# Altium PCB TrackerController010.PcbDoc (part 2 of 2)
Units mm, origin at the board's own origin, x right, y up, seen from the top; angles counter-clockwise.
Board outline 70 x 102 mm, 2 copper layers (Top Layer, Bottom Layer); 125 components, 86 nets, 407 pads, 611 vias.
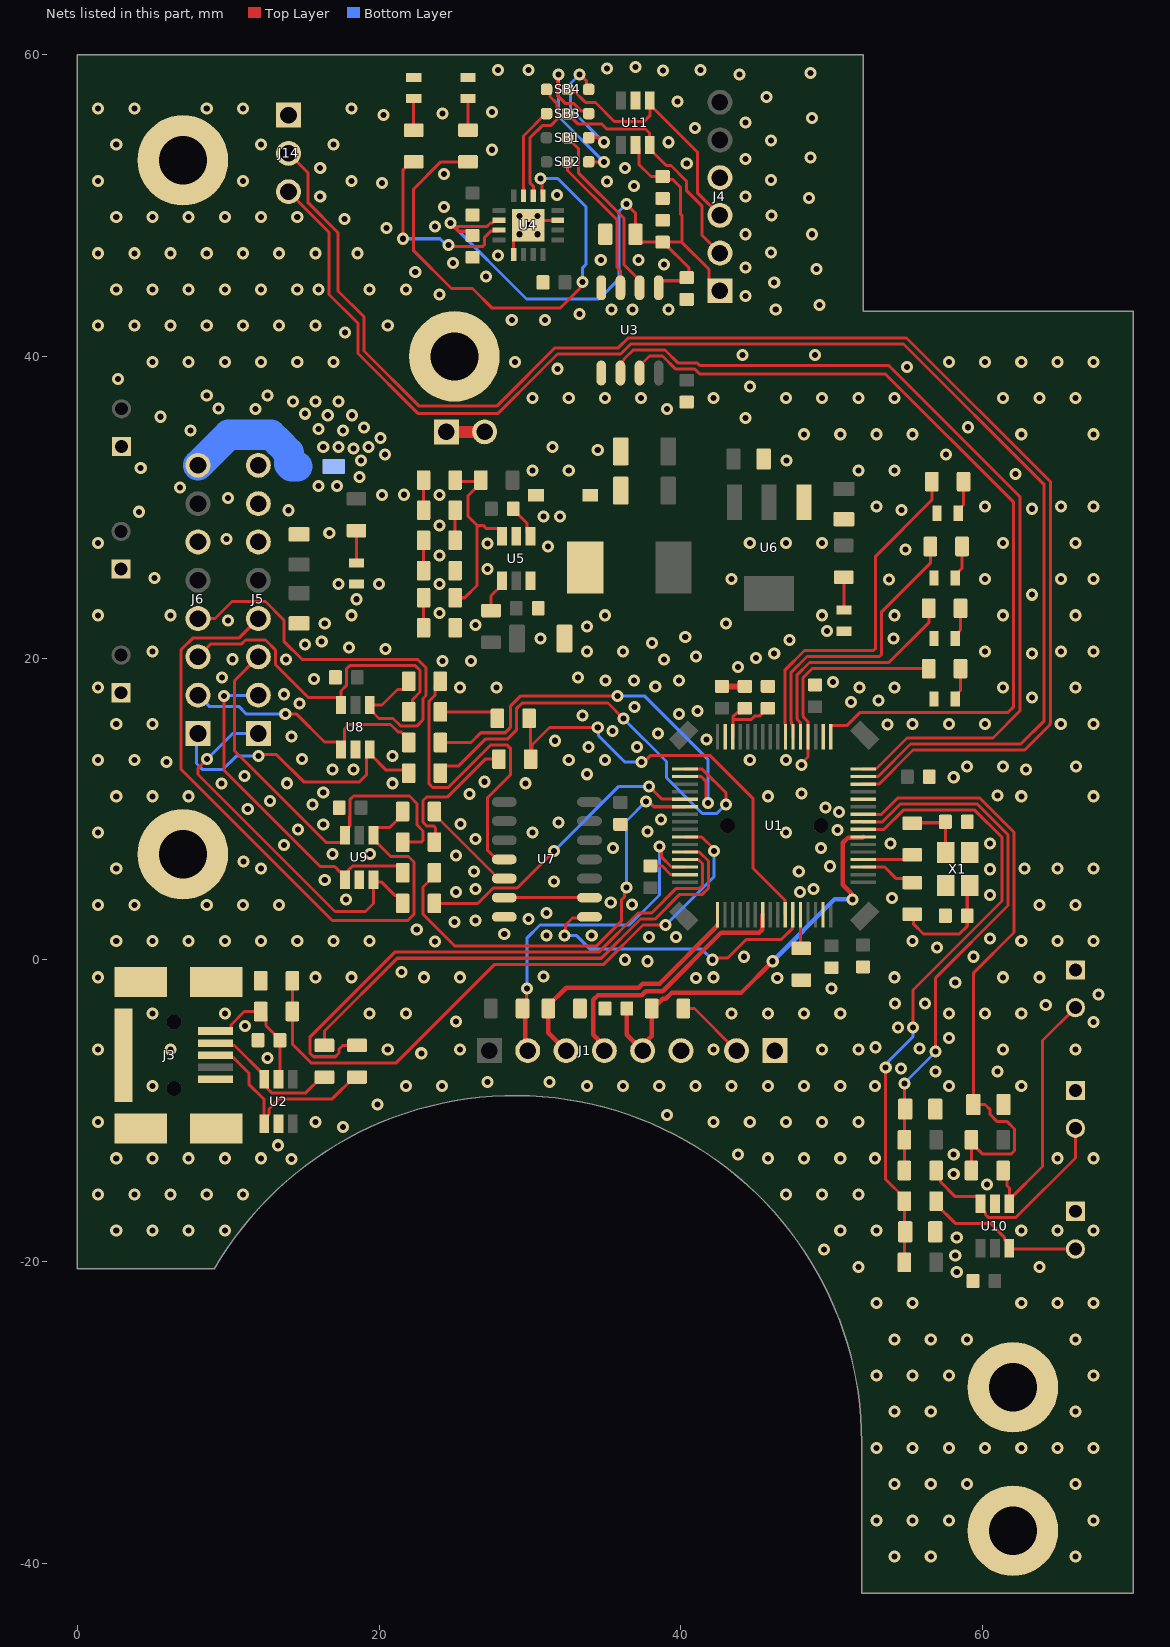
[diagram p2: the nets of this part, all layers, seen from the top]

## Via types
v1: diameter 0.8, hole 0.4, Top Layer to Bottom Layer, tented both sides, 611 vias

## Nets (pads, with @x,y where several pads share a name; then routed paths per layer and width w, separated by ;. In a path a pad name is that pad's centre, name@x,y a point inside that pad or via, vN(x,y) a via of type N, cw(c..) or ccw(c..) an arc to the next point about the centre after c; other vN are vias at no path point) (continued)
GND: CK1.2 CK2.2 CK3.2 CK4.1 CK5.2 CK6.2 CK7.2 CK8.2 CK9.2 CK10.2 CK11.2 CK12.2 CK14.2 CK19.2 CK20.2 CK21.2 CK22.2 CK23.2 CK24.2 CK25.2 CK26.2 CK27.2 CK28.2 CK29.2 CK30.2 CK31.2 CK32.2 CK33.2 D1.2 J1.6 J2.1 J3.5 J3.6 J5.6 J5.7 J5.8 J6.6 J7.1 J7.2 J8.1 J9.1 J10.1 J11.1 J12.1 J13.1 J14.1 LD1.2 LD2.2 LD3.2 LD4.2 LD7.2 LD8.2 MTH1.1 MTH2.1 MTH3.1 MTH4.1 MTH5.1 NT1.2 R6.1 R10.1 R12.1 R22.1 R25.1 U1.12 U1.18 U1.31 U1.47 U1.63 U2.2 U3.5 U5.2 U6.1 U7.7 U8.5 U9.5 U10.2 X1.2 X1.4 | length 6.6
  Top Layer w0.2: CK11.2@38,6.225 38.757,6.225 39.329,5.653 40.279,5.653 U1.47@40.289,5.643
  Top Layer w0.4: CK7.2@42.732,18.124 CK4.1@44.256,18.124
  Top Layer w0.8: J7.1@24.46,35 J7.2@27,35
  other v1: 54.178,-39.562 56.578,-39.562 66.178,-39.562 52.978,-37.162 55.378,-37.162 57.778,-37.162 67.378,-37.162 54.178,-34.762 56.578,-34.762 58.978,-34.762 66.178,-34.762 52.978,-32.362 55.378,-32.362 57.778,-32.362 60.178,-32.362 62.578,-32.362 64.978,-32.362 67.378,-32.362 54.178,-29.962 56.578,-29.962 66.178,-29.962 52.978,-27.562 55.378,-27.562 57.778,-27.562 67.378,-27.562 54.178,-25.162 56.578,-25.162 58.978,-25.162 66.178,-25.162 52.978,-22.762 55.378,-22.762 62.578,-22.762 64.978,-22.762 67.378,-22.762 58.3,-20.7 51.778,-20.362 63.778,-20.362 58.2,-19.6 49.5,-19.2 58.3,-18.4 2.578,-17.962 4.978,-17.962 7.378,-17.962 9.778,-17.962 50.578,-17.962 52.978,-17.962 62.578,-17.962 64.978,-17.962 67.378,-17.962 1.378,-15.562 3.778,-15.562 6.178,-15.562 8.578,-15.562 10.978,-15.562 46.978,-15.562 49.378,-15.562 51.778,-15.562 60.3,-14.9 58.1,-14.2 14.2,-13.2 2.578,-13.162 4.978,-13.162 7.378,-13.162 9.778,-13.162 12.178,-13.162 45.778,-13.162 48.178,-13.162 50.578,-13.162 52.891,-13.162 64.978,-13.162 67.378,-13.162 43.8,-12.9 58.1,-12.9 13.3,-12.3 17.6,-11.1 1.378,-10.762 15.778,-10.762 42.178,-10.762 44.578,-10.762 46.978,-10.762 49.378,-10.762 51.778,-10.762 39.1,-10.3 19.9,-9.6 4.978,-8.362 21.778,-8.362 24.178,-8.362 33.778,-8.362 36.178,-8.362 38.578,-8.362 40.978,-8.362 43.378,-8.362 45.778,-8.362 48.178,-8.362 50.578,-8.362 52.891,-8.362 57.778,-8.362 62.578,-8.362 27.2,-8.1 31.3,-8.1 56.9,-7.4 61,-7.4 54.6,-7.2 12.6,-6.5 22.8,-6.2 1.378,-5.962 6.178,-5.962 20.578,-5.962 25.378,-5.962 42.178,-5.962 49.378,-5.962 51.778,-5.962 61.378,-5.962 66.178,-5.962 55.844,-5.87 52.9,-5.8 57.8,-5.2 54.4,-4.5 11.1,-4.4 67.368,-4.12 25.1,-4.1 4.978,-3.562 9.778,-3.562 19.378,-3.562 21.778,-3.562 43.378,-3.562 45.778,-3.562 48.178,-3.562 50.578,-3.562 57.778,-3.562 60.178,-3.562 62.578,-3.562 64.2,-3 54.221,-2.908 56.2,-2.9 67.7,-2.3 50,-1.9 58.2,-1.5 41,-1.2 46.4,-1.2 1.378,-1.162 15.778,-1.162 18.178,-1.162 22.978,-1.162 25.378,-1.162 42.178,-1.162 54.178,-1.162 61.378,-1.162 63.778,-1.162 30.9,-1.1 21.5,-0.8 37.8,-0.1 36.3,0 44.2,0.2 59.4,0.2 57,0.8 23.7,1.2 2.578,1.238 4.978,1.238 7.378,1.238 9.778,1.238 12.178,1.238 14.578,1.238 16.978,1.238 19.378,1.238 55.378,1.238 62.578,1.238 64.978,1.238 67.378,1.238 60.5,1.4 37.9,1.5 39.7,1.5 31.1,1.6 34.1,1.6 28.3,1.7 22.5,2 25,2.5 26.4,2.6 29.9,2.7 31.1,3.1 1.378,3.638 3.778,3.638 8.578,3.638 10.978,3.638 13.378,3.638 63.778,3.638 66.178,3.638 36.761,3.669 35.361,3.8 17.8,4 54,4.1 60.5,4.3 25.1,4.5 47.9,4.5 26.4,4.7 48.8,4.7 31.6,5.2 16.4,5.3 26.307,5.844 47.827,5.837 60.5,6 2.578,6.038 12.178,6.038 62.8,6.038 64.978,6.038 67.378,6.038 49.9,6.2 11,6.5 25.1,6.9 16.9,7 19.4,7 35.5,7.4 49.3,7.4 13.7,7.6 53.9,7.7 60.5,7.7 26.4,8 1.378,8.438 30.178,8.438 46.978,8.438 37.8,8.5 50.4,8.6 14.64,8.64 16.3,8.96 25.4,9 31.9,9.1 38.7,9.3 50.5,9.8 11.295,9.995 49.6,10.1 15.6,10.3 12.766,10.514 2.578,10.838 4.978,10.838 7.378,10.838 45.778,10.838 62.578,10.838 67.378,10.838 61,10.9 26,11 48.007,11.009 16.3,11.1 9.569,11.697 13.9,11.7 20.9,11.7 29.7,11.7 27,11.8 58.1,12.1 11.09,12.19 33.8,12.3 16.9,12.6 18.3,12.6 62.9,12.6 58.978,12.8 61.378,12.8 66.2,12.8 5.9,13.1 1.378,13.238 3.778,13.238 32.578,13.238 34.978,13.238 44.578,13.238 46.978,13.238 14.9,13.3 20.9,13.5 33.9,14.1 37.096,14.094 31.678,14.518 41.7,14.6 14.2,14.8 38.5,15 35.469,15.153 53.7,15.6 65.197,15.616 2.578,15.638 4.978,15.638 55.378,15.638 57.778,15.638 60.178,15.638 67.378,15.638 33.5,16.2 39.9,16.3 41.1,16.5 36.949,16.751 14.724,16.986 51.3,17.1 53.1,17.2 63.3,17.4 13.7,17.6 1.378,18.038 25.378,18.038 27.778,18.038 51.85,18.038 54.178,18.038 61.378,18.038 66.178,18.038 38.313,18.115 50.099,18.401 35,18.5 36.9,18.5 39.9,18.5 15.7,18.6 9.6,18.7 33.2,18.7 43.8,19.4 24.2,19.8 26.1,19.8 13.825,19.9 38.9,19.9 10.293,19.923 45,20 41,20.1 46.2,20.3 63.3,20.3 4.978,20.438 33.778,20.438 36.178,20.438 60.178,20.438 65.2,20.438 67.378,20.438 20.435,20.6 18,20.7 15.1,20.9 38.1,21 16.2,21.1 47.2,21.2 30.7,21.3 54.1,21.3 40.3,21.4 49.701,21.801 33.8,22.1 26.381,22.182 16.4,22.3 43,22.3 10,22.5 1.378,22.838 6.175,22.838 18.178,22.838 34.978,22.838 49.378,22.838 54.178,22.838 61.378,22.838 66.178,22.838 24,23 18.5,23.9 63.3,24.2 17.3,24.9 20,24.9 24,24.9 53.8,25.2 43.378,25.238 60.178,25.238 65.2,25.238 67.378,25.238 5.1,25.3 27.2,25.9 24,26.8 54.9,27.2 31.2,27.4 27.2,27.6 1.378,27.638 44.578,27.638 46.978,27.638 49.378,27.638 61.378,27.638 66.178,27.638 9.9,27.9 16.7,28.3 24,28.8 30.9,29.4 32,29.4 4.1,29.7 14,29.8 54.643,29.818 63.3,29.9 52.978,30.038 60.178,30.038 65.2,30.038 67.378,30.038 10,30.6 20.2,30.8 24,30.8 21.643,30.829 6.8,31.3 16,31.4 17.2,31.4 18.7,32 62.2,32.2 30.178,32.438 32.578,32.438 51.778,32.438 54.178,32.438 4.2,32.6 18.8,33.1 47,33.1 20.4,33.5 57.6,33.5 34.5,33.8 18.3,33.9 16.3,34 17.3,34 19.3,34 31.5,34 20.1,34.6 48.178,34.838 50.578,34.838 52.978,34.838 55.378,34.838 62.578,34.838 67.378,34.838 7.5,35.1 17.6,35.1 16,35.2 19,35.3 59.038,35.304 44.302,35.91 5.5,36 16.6,36.1 18.2,36.1 15.1,36.2 11.8,36.5 39.1,36.5 9.367,36.543 14.3,37 15.8,37 17.3,37 30.178,37.238 32.578,37.238 34.978,37.238 37.378,37.238 42.178,37.238 46.978,37.238 49.378,37.238 51.778,37.238 54.178,37.238 61.378,37.238 63.778,37.238 66.178,37.238 8.578,37.4 12.6,37.4 44.592,38.016 2.7,38.5 31.836,39.18 55,39.3 4.978,39.638 7.378,39.638 9.778,39.638 12.178,39.638 14.578,39.638 16.978,39.638 29,39.638 57.778,39.638 60.178,39.638 62.578,39.638 64.978,39.638 67.378,39.638 44.1,40.1 48.9,40.1 17.731,41.591 1.378,42.038 3.778,42.038 6.178,42.038 8.578,42.038 10.978,42.038 13.378,42.038 15.778,42.038 20.578,42.038 2.578,44.438 4.978,44.438 7.378,44.438 9.778,44.438 12.178,44.438 14.578,44.438 15.988,44.438 19.378,44.438 21.778,44.438 1.378,46.838 3.778,46.838 6.178,46.838 8.578,46.838 10.978,46.838 13.378,46.838 15.778,46.838 18.578,46.838 17.7,49.1 2.578,49.238 4.978,49.238 7.378,49.238 9.778,49.238 12.178,49.238 14.578,49.238 16.1,50.6 1.378,51.638 10.978,51.638 18.178,51.638 16.1,52.5 2.578,54.038 12.178,54.038 16.978,54.038 1.378,56.438 3.778,56.438 8.578,56.438 10.978,56.438 18.178,56.438
GPS_UART_RX: R33.2 U1.37 | length 20.2
  Top Layer w0.2: R33.2@23.67,3.734 26.539,3.734 27.565,4.76 29.16,4.76 v1(31.6,7.2) ; v1(37.9,11.5) 38.757,10.643 U1.37@40.289,10.643
  Bottom Layer w0.2: v1(31.6,7.2) 35.9,11.5 v1(37.9,11.5)
GPS_UART_TX: R34.2 U1.38 | length 29.1
  Top Layer w0.2: R34.2@23.67,5.766 23.67,5.566 22.92,4.816 22.92,3.012 25.032,0.9 34.403,0.9 36.061,2.558 36.061,3.959 36.285,4.183 36.285,4.685 v1(36.4,4.8) ; v1(37.7,10.5) 37.862,10.5 38.219,10.143 U1.38@40.289,10.143
  Bottom Layer w0.2: v1(36.4,4.8) 36.4,9.2 v1(37.7,10.5)
MCU_NRST: CK5.1 J1.5 R9.1 U1.7 | length 28.3
  Top Layer w0.3: CK5.1@36.426,-3.232 36.426,-4.973 J1.5@37.479,-6.026 37.479,-5.661 38.08,-5.06 R9.1@38.08,-3.232 R9.1@38.08,-3.032 ; R9.1@38.08,-3.302 38.804,-2.578 39.014,-2.578 39.392,-2.2 44,-2.2 v1(46.1,-0.1) ; v1(51.4,4) 51.304,4.096 51.304,4.41 50.747,4.967 50.747,7.754 51.097,8.103 52.052,8.103 U1.7@52.092,8.143
  Bottom Layer w0.3: v1(46.1,-0.1) 50.2,4 v1(51.4,4)
MCU_SWO: J1.4 U1.55 | length 17.7
  Top Layer w0.3: J1.4@34.939,-5.969 34.939,-5.699 34.201,-4.961 34.201,-2.662 34.513,-2.35 37.42,-2.35 37.692,-2.078 38.807,-2.078 42.673,1.789 45.191,1.789 45.397,1.994 45.397,2.949 U1.55@45.437,2.989
MCU_USART1_RX: U1.59 U7.8 | length 20.1
  Top Layer w0.2: v1(32.3,1.6) 32.362,1.662 32.362,2.3 32.829,2.767 33.876,2.767 U7.8@33.954,2.845 ; v1(42.1,0) 42.215,0.115 43.115,0.115 44.339,1.339 46.671,1.339 47.427,2.094 47.427,2.979 U1.59@47.437,2.989
  Bottom Layer w0.2: v1(32.3,1.6) 33.1,1.6 33.996,0.704 41.396,0.704 v1(42.1,0)
MCU_USART1_TX: R27.1 R28.1 U1.58 | length 29.4
  Top Layer w0.2: R27.1@29.95,16 30.054,15.896 30.054,14.244 30.054,14.011 R28.1@30.054,13.919 ; R28.1@30.05,13.3 30.054,13.304 R28.1@30.054,13.919 ; v1(34.5,15.4) 31.302,15.4 30.146,14.244 30.146,14.011 R28.1@30.054,13.919 ; v1(37.4,13.1) 37.562,13.1 38.016,13.553 41.926,13.553 44.8,10.68 44.8,6.049 46.927,3.922 46.927,2.999 U1.58@46.937,2.989
  Bottom Layer w0.2: v1(34.5,15.4) 34.545,15.355 34.545,14.855 36.3,13.1 v1(37.4,13.1)
MCU_USART2_RX: U1.17 U3.7 | length 56.5
  Top Layer w0.2: U3.7@37.27,38.9 37.27,39.37 37.925,40.025 38.799,40.025 39.674,39.15 40.949,39.15 41.274,38.825 53.581,38.825 62.078,30.328 62.078,16.778 61.7,16.4 51.9,16.4 51.042,15.542 49.953,15.542 49.943,15.532 U1.17@49.943,14.791
MCU_USART2_TX: U1.16 U3.6 | length 57.8
  Top Layer w0.2: U3.6@36,38.9 36,39.522 36.245,39.767 36.245,39.825 36.845,40.425 38.965,40.425 39.84,39.55 41.115,39.55 41.265,39.4 53.8,39.4 62.5,30.7 62.5,16.5 60.7,14.7 55,14.7 52.953,12.653 52.102,12.653 U1.16@52.092,12.643
NetCK1_1: CK1.1 R7.1 X1.1 | length 7.5
  Top Layer w0.2: R7.1@55.351,3.014 55.419,2.946 55.419,2.381 56.1,1.7 58.469,1.7 58.997,2.228 CK1.1@58.997,2.921 58.997,4.748 X1.1@59.161,4.912
NetCK2_1: CK2.1 R8.1 X1.3 | length 4.3
  Top Layer w0.2: R8.1@55.351,9.051 55.383,9.083 57.486,9.083 CK2.1@57.547,9.144 57.547,7.126 X1.3@57.561,7.112
NetCK3_1: CK3.1 CK4.2 U1.30 | length 5
  Top Layer w0.2: U1.30@43.443,14.791 43.453,14.801 43.453,15.941 ; CK4.2@44.256,16.674 43.931,16.349 43.695,16.349 43.453,16.107 43.453,15.941 ; CK3.1@45.78,16.674 45.73,16.674 45.205,16.149 44.905,16.149 44.698,15.941 43.453,15.941
NetCK18_2: CK18.2 U5.1 | length 2.3
  Top Layer w0.2: CK18.2@28.9,29.9 28.9,29.85 29.825,28.925 29.825,28.3 U5.1@30.05,28.075
NetCK30_1: CK30.1 R37.1 R38.1 U1.10 | length 40.9
  Top Layer w0.2: U1.10@52.112,9.643 53.306,9.643 54.382,10.719 59.828,10.719 62.1,8.447 62.1,1.8 59.4,-0.9 CK30.1@59.4,-9.6 60.175,-9.6 60.516,-9.941 60.516,-10.259 60.994,-10.738 61.646,-10.738 62.125,-11.216 62.125,-12.66 61.897,-12.888 60.025,-12.888 R37.1@59.275,-12.138 ; R38.1@59.275,-13.97 R37.1@59.275,-12.138 ; R37.1@59.275,-11.938 R37.1@59.275,-12.138
NetCK31_1: CK31.1 R39.1 R40.1 U1.9 | length 36.1
  Top Layer w0.2: U1.9@52.092,9.143 53.372,9.143 54.547,10.319 59.662,10.319 61.7,8.281 61.7,3.6 56.9,-1.2 v1(56.9,-6.081) ; R40.1@54.83,-13.97 54.845,-13.955 54.845,-11.938 54.845,-9.941 CK31.1@54.88,-9.906 54.831,-9.857 v1(54.831,-8.2)
  Bottom Layer w0.2: v1(54.831,-8.2) 54.831,-8.175 56.785,-6.22 56.785,-6.195 v1(56.9,-6.081)
NetCK32_1: CK32.1 R41.1 R42.1 U1.8 | length 42.4
  Top Layer w0.2: U1.8@52.092,8.643 53.472,8.643 54.747,9.919 59.496,9.919 61.3,8.115 61.3,3.9 55.4,-2 v1(55.4,-4.5) ; v1(53.591,-7.14) 53.591,-14.563 54.83,-15.802 54.83,-18.034 R41.1@54.83,-20.066
  Bottom Layer w0.2: v1(53.591,-7.14) 53.591,-6.978 53.771,-6.798 53.771,-6.729 55.4,-5.1 v1(55.4,-4.5)
NetD1_1: D1.1 L1.1 U5.6
NetJ2_2: J2.2 R9.2 | length 4.7
  Top Layer w0.2: R9.2@40.18,-3.232 40.908,-3.232 J2.2@43.702,-6.026
NetJ3_2: J3.2 R13.1 U2.6 | length 9.4
  Top Layer w0.2: J3.2@9.158,-5.528 9.312,-5.682 10.419,-5.682 12.385,-7.648 U2.6@12.385,-7.923 12.61,-8.148 12.61,-8.547 12.886,-8.823 15.141,-8.823 16.183,-7.781 R13.1@16.383,-7.781
NetJ3_3: J3.3 R14.1 U2.1 | length 14
  Top Layer w0.2: J3.3@9.158,-6.328 9.312,-6.482 10.34,-6.482 11.363,-7.504 11.363,-8.25 12.385,-9.272 U2.1@12.385,-10.873 ; U2.1@12.385,-10.598 12.71,-10.273 12.71,-9.89 13.377,-9.223 16.9,-9.223 18.342,-7.781 R14.1@18.542,-7.781
NetJ5_1: J5.1 R33.1 U9.6 | length 25.3
  Top Layer w0.2: v1(8.6,13.3) 8,12.7 8,12.276 17.076,3.2 19.1,3.2 19.633,3.733 U9.6@19.633,5.307 ; U9.6@19.633,5.3 19.77,5.163 20.141,5.163 21.034,4.27 21.22,4.27 21.57,3.92 R33.1@21.57,3.734
  Bottom Layer w0.2: v1(8.6,13.3) 10.3,15 J5.1@12,15
NetJ5_2: J5.2 R34.1 U9.4 | length 23
  Top Layer w0.2: v1(9.716,17.5) 9.725,17.491 9.725,12.565 16.108,6.182 17.058,6.182 17.433,5.807 17.508,5.807 17.833,5.482 U9.4@17.833,5.407 ; U9.4@17.733,5.307 U9.4@17.833,5.407 ; 18.058,6.03 17.958,5.93 17.958,5.532 U9.4@17.833,5.407 ; 18.058,6.031 18.234,6.207 21.22,6.207 21.57,5.857 R34.1@21.57,5.766
  Bottom Layer w0.2: v1(9.716,17.5) 9.724,17.508 11.967,17.508 J5.2@12,17.54
NetJ5_3: J5.3 R35.1 U9.3 | length 28.3
  Top Layer w0.2: J5.3@12,20.08 10.416,18.496 10.416,13.854 16.487,7.782 17.508,7.782 17.733,8.007 U9.3@17.733,8.257 17.733,8.532 18.058,8.857 18.058,9.508 18.085,9.535 18.085,10.633 18.311,10.859 22.013,10.859 22.52,10.352 22.52,8.943 22.92,8.543 22.92,7.915 22.803,7.798 R35.1@21.57,7.798
NetJ5_4: J5.4 R36.1 U9.1 | length 43.8
  Top Layer w0.2: J5.4@12.133,22.753 10.726,21.346 7.675,21.346 6.875,20.546 6.875,12.625 16.9,2.6 21.908,2.6 22.32,3.012 22.32,6.488 21.96,6.848 20.767,6.848 19.633,7.982 19.633,8.532 19.858,8.757 20.697,8.757 21.57,9.63 R36.1@21.57,9.83
NetJ6_1: J6.1 R29.1 U8.6 | length 20
  Top Layer w0.2: v1(12,13.5) 12.115,13.615 13.185,13.615 15,11.8 18.7,11.8 19.154,12.254 19.154,13.718 U8.6@19.379,13.943 19.379,13.668 20.477,12.57 21.77,12.57 R29.1@21.97,12.37
  Bottom Layer w0.2: J6.1@8,15 7.9,14.9 7.9,13.01 8.31,12.6 9.624,12.6 10.524,13.5 v1(12,13.5)
NetJ6_2: J6.2 R30.1 U8.4 | length 17.6
  Top Layer w0.2: v1(13.784,16.284) 14.542,16.284 16.383,14.443 17.254,14.443 17.479,14.218 U8.4@17.479,13.943 17.704,14.168 17.704,15.304 18,15.6 20.767,15.6 21.283,15.084 21.488,15.084 21.97,14.602 R30.1@21.97,14.402
  Bottom Layer w0.2: J6.2@8,17.54 8.74,16.8 10.699,16.8 11.216,16.284 v1(13.784,16.284)
NetJ6_3: J6.3 R31.1 U8.3 | length 22.9
  Top Layer w0.2: J6.3@8,20.08 8.866,20.946 10.892,20.946 11.151,21.205 12.466,21.205 13.125,20.546 13.125,19.575 15.307,17.393 17.254,17.393 17.479,17.168 U8.3@17.479,16.893 ; U8.3@17.479,17.193 17.479,17.819 17.831,18.171 17.831,19.269 18.062,19.5 22.408,19.5 22.72,19.188 22.72,17.744 22.226,17.25 22.226,16.69 R31.1@21.97,16.434
NetJ6_4: J6.4 R32.1 U8.1 | length 29.6
  Top Layer w0.2: J6.4@8,22.62 9.13,22.62 10.255,23.745 12.466,23.745 13.686,22.525 13.686,21.12 14.905,19.9 22.573,19.9 23.12,19.353 23.12,17.521 22.92,17.321 22.92,15.912 22.492,15.484 21.448,15.484 20.932,16 19.997,16 19.379,16.618 U8.1@19.379,16.893 20.197,16.893 21.22,17.916 21.62,17.916 21.97,18.266 R32.1@21.97,18.466
NetJ8_2: J8.2 R38.2 U10.1 | length 16.9
  Top Layer w0.2: R38.2@61.375,-13.97 61.635,-14.23 61.635,-14.98 61.783,-15.128 U10.1@61.783,-15.903 ; U10.1@61.783,-16.178 U10.1@61.783,-15.903 ; J8.2@66.167,-3.175 63.985,-5.357 63.985,-13.701 U10.1@61.783,-15.903
NetJ9_2: J9.2 R40.2 U10.3 | length 14.8
  Top Layer w0.2: R40.2@56.93,-13.97 57.236,-14.276 57.236,-14.736 58.203,-15.703 59.658,-15.703 59.883,-15.928 U10.3@59.883,-16.178 59.883,-16.453 60.208,-16.778 60.208,-16.902 60.384,-17.078 62.232,-17.078 66.167,-13.143 J9.2@66.167,-11.176
NetJ10_2: J10.2 R42.2 U10.6 | length 10.9
  Top Layer w0.2: R42.2@56.93,-16.002 56.93,-16.202 58.206,-17.478 60.532,-17.478 61.458,-18.404 61.458,-18.528 61.783,-18.853 U10.6@61.783,-19.128 61.832,-19.177 J10.2@66.167,-19.177
NetJ14_2: J14.2 U1.14 | length 98.2
  Top Layer w0.2: J14.2@14,53.46 15.3,52.16 15.3,50.186 17.283,48.203 17.283,44.343 19,42.626 19,40.366 22.666,36.7 27.8,36.7 28.3,37.2 31.666,40.566 35.855,40.566 36.514,41.225 54.975,41.225 64.5,31.7 64.5,15.686 64.497,15.682 64.497,15.597 62.8,13.9 55.4,13.9 53.143,11.643 U1.14@52.092,11.643
NetJ14_3: J14.3 U1.15 | length 94.8
  Top Layer w0.2: J14.3@14,50.92 16.688,48.232 16.688,44.112 18.6,42.2 18.6,40.2 22.6,36.2 27.866,36.2 30.705,39.039 31.832,40.166 36.021,40.166 36.68,40.825 54.775,40.825 64.1,31.5 64.1,15.851 62.549,14.3 55.234,14.3 53.088,12.153 52.112,12.153 U1.15@52.092,12.133
NetLD1_1: LD1.1 R1.2 | length 2.1
  Top Layer w0.2: LD1.1@58.2,17.3 58.2,17.5 58.55,17.85 R1.2@58.55,19.3
NetLD2_1: LD2.1 R2.2 | length 2.1
  Top Layer w0.2: LD2.1@58.2,21.3 58.2,21.5 58.55,21.85 R2.2@58.55,23.3
NetLD3_1: LD3.1 R3.2 | length 2.3
  Top Layer w0.2: LD3.1@58.2,25.3 58.2,25.5 58.65,25.95 R3.2@58.65,27.4
NetLD4_1: LD4.1 R4.2 | length 2.2
  Top Layer w0.2: LD4.1@58.4,29.6 58.4,29.8 58.75,30.15 R4.2@58.75,31.7
NetLD5_1: LD5.1 R15.2 | length 2.1
  Top Layer w0.2: R15.2@25.9,55 LD5.1@25.9,57.1
NetLD6_1: LD6.1 R16.2 | length 2.1
  Top Layer w0.2: R16.2@22.3,55 LD6.1@22.3,57.1
NetLD7_1: LD7.1 R18.2 | length 2.2
  Top Layer w0.2: LD7.1@18.5,26.3 R18.2@18.5,28.45
NetLD8_1: LD8.1 R26.2 | length 2.2
  Top Layer w0.2: LD8.1@50.814,23.179 R26.2@50.814,25.366
NetR1_1: R1.1 U1.20 | length 14.7
  Top Layer w0.2: v1(48,12.9) 48,13.003 48.443,13.446 U1.20@48.443,14.791 48.433,14.801 48.433,15.785 48.153,16.065 48.153,16.097 48.1,16.151 48.1,18.699 48.701,19.3 R1.1@56.45,19.3
NetR2_1: R2.1 U1.21 | length 15.3
  Top Layer w0.2: U1.21@47.943,14.791 47.933,14.801 47.933,15.719 47.753,15.899 47.753,15.931 47.7,15.985 47.7,18.366 47.7,18.865 48.535,19.7 53.8,19.7 56.45,22.35 R2.1@56.45,23.3
NetR3_1: R3.1 U1.22 | length 19.3
  Top Layer w0.2: U1.22@47.443,14.791 47.443,15.532 47.353,15.622 47.353,15.766 47.3,15.819 47.3,19.031 48.369,20.1 53.183,20.1 53.3,20.217 53.3,23.041 56.55,26.291 R3.1@56.55,27.4
NetR4_1: R4.1 U1.23 | length 23.6
  Top Layer w0.2: U1.23@46.943,14.791 46.933,14.801 46.933,15.62 46.9,15.654 46.9,19.197 48.203,20.5 52.783,20.5 52.9,20.617 52.9,26.724 56.65,30.474 R4.1@56.65,31.7
NetR7_2: R7.2 U1.3 | length 3.7
  Top Layer w0.2: U1.3@52.092,6.143 53.522,6.143 54.291,5.374 55.091,5.374 R7.2@55.351,5.114
NetR8_2: R8.2 U1.4 | length 4.2
  Top Layer w0.2: U1.4@52.092,6.643 52.102,6.653 R8.2@55.053,6.653 ; R8.2@55.053,6.653 R8.2@55.351,6.951 ; R8.2@55.053,6.653 R8.2@55.351,6.951 ; R8.2@55.053,6.653 R8.2@55.351,6.951
NetR10_2: R10.2 U1.60 | length 2.3
  Top Layer w0.2: U1.60@47.937,2.989 47.937,0.813 R10.2@48,0.75
NetR11_1: R11.1 R12.2 U1.42 | length 41.8
  Top Layer w0.2: R12.2@14.258,-1.397 R11.1@14.258,-3.429 14.258,-5.607 15.482,-6.831 21.141,-6.831 27.672,-0.3 34.9,-0.3 37.5,2.3 v1(39,2.3) ; U1.42@40.289,8.143 41.394,8.143 42.2,7.337 v1(42.2,7.2)
  Bottom Layer w0.2: v1(39,2.3) 42.2,5.5 v1(42.2,7.2)
NetR13_2: R13.2 U1.44 | length 33.9
  Top Layer w0.2: R13.2@16.383,-5.681 16.383,-4.717 21.2,0.1 34.734,0.1 37.334,2.7 38.303,2.7 39.936,4.334 41.428,4.334 41.839,4.744 41.839,6.543 41.248,7.133 40.299,7.133 U1.44@40.289,7.143
NetR14_2: R14.2 U1.45 | length 37.7
  Top Layer w0.2: R14.2@18.542,-5.681 17.592,-5.681 17.348,-5.925 17.348,-6.187 17.105,-6.431 15.648,-6.431 15.433,-6.216 15.433,-5.101 21.034,0.5 34.569,0.5 37.169,3.1 38.073,3.1 39.706,4.734 41.263,4.734 41.439,4.909 41.439,6.378 41.183,6.633 40.299,6.633 U1.45@40.289,6.643
NetR15_1: R15.1 U4.5 | length 32.2
  Top Layer w0.2: R15.1@25.9,52.9 24.1,52.9 22.3,51.1 22.3,47 24.8,44.5 26.2,44.5 27.5,43.2 31.999,43.2 33.324,44.524 33.324,44.599 33.5,44.775 v1(33.5,44.938) ; v1(30.7,51.8) 30.8,51.7 30.8,50.725 U4.5@30.875,50.65
  Bottom Layer w0.2: v1(30.7,51.8) 31.84,51.8 33.719,49.921 33.719,46.105 33.5,45.885 v1(33.5,44.938)
NetR16_1: R16.1 U4.11 | length 12.8
  Top Layer w0.2: v1(21.6,47.801) 21.6,52.38 21.75,52.53 21.75,52.55 22.1,52.9 R16.1@22.3,52.9 ; v1(24.6,47.4) 24.7,47.3 26.883,47.3 27,47.417 27,47.9 27.4,48.3 27.875,48.3 U4.11@27.95,48.375
  Bottom Layer w0.2: v1(21.6,47.801) 24.037,47.801 24.438,47.4 v1(24.6,47.4)
NetR17_1: R17.1 U5.4 | length 2.3
  Top Layer w0.2: R17.1@27.425,23.15 27.425,24.125 28.15,24.85 U5.4@28.15,25.125
NetR19_1: R19.1 R20.2 R21.2 U5.3 | length 13.1
  Top Layer w0.2: R20.2@25.05,24 25.683,24 26.5,24.817 26.5,28.8 ; R21.2@25.05,31.8 25.15,31.7 26.25,31.7 R19.1@26.65,31.7 ; R19.1@26.75,31.8 R19.1@26.65,31.7 ; U5.3@28.15,28.075 28.15,28.35 27.925,28.575 27.125,28.575 26.9,28.8 26.5,28.8 ; 26.5,28.8 25.9,29.4 25.9,30.764 26.386,31.25 26.4,31.25 26.65,31.5 R19.1@26.65,31.7
NetR20_1: R20.1 R22.2 | length 2
  Top Layer w0.2: R22.2@22.95,22 R20.1@22.95,24
NetR21_1: R21.1 R23.2 | length 2
  Top Layer w0.2: R23.2@22.95,29.8 R21.1@22.95,31.8
NetR23_1: R23.1 R24.2 | length 2
  Top Layer w0.2: R24.2@25.05,27.8 R23.1@25.05,29.8
NetR24_1: R24.1 R25.2 | length 2
  Top Layer w0.2: R25.2@22.95,25.8 R24.1@22.95,27.8
NetR27_2: R27.2 R31.2 | length 4
  Top Layer w0.2: R31.2@24.07,16.434 27.5,16.434 27.85,16.084 R27.2@27.85,16
NetR29_2: R29.2 U1.33 | length 29.8
  Top Layer w0.2: R29.2@24.07,12.37 24.07,12.48 24.42,12.83 25.251,12.83 27.071,14.65 28.537,14.65 29.104,15.217 29.104,16.638 29.487,17.021 35.179,17.021 v1(36.199,16.001) ; U1.33@40.289,12.643 40.299,12.633 41.432,12.633 43,11.066 v1(43,10.3)
  Bottom Layer w0.2: v1(36.199,16.001) 39.055,13.145 39.055,12.071 41.432,9.693 42.393,9.693 v1(43,10.3)
NetR30_2: R30.2 U1.34 | length 27.5
  Top Layer w0.2: R30.2@24.07,14.402 24.07,14.4 26.1,14.4 26.75,15.05 27.328,15.05 28.372,15.05 28.704,15.382 28.704,16.804 29.4,17.5 v1(35.8,17.5) ; U1.34@40.289,12.143 41.357,12.143 41.69,11.81 41.69,10.51 v1(41.8,10.4)
  Bottom Layer w0.2: v1(35.8,17.5) 37.59,17.5 41.8,13.29 v1(41.8,10.4)
NetR32_2: R32.2 U7.4 | length 22.6
  Top Layer w0.2: R32.2@24.07,18.466 23.72,18.116 23.72,17.556 23.32,17.156 23.32,11.648 23.548,11.42 24.592,11.42 27.422,14.25 28.472,14.25 28.7,14.022 28.7,12.245 27.179,10.724 27.179,7.28 27.804,6.655 U7.4@28.304,6.655
NetSB1_2: SB1.2 U3.2 | length 11.9
  Top Layer w0.2: SB1.2@32.497,54.5 33.216,53.781 33.216,52.181 36.225,49.172 36.225,46.095 37.27,45.05 U3.2@37.27,44.55
NetSB2_2: SB2.2 U3.3 | length 9.8
  Top Layer w0.2: SB2.2@32.5,52.9 32.5,52.331 35.775,49.056 35.775,45.9 36,45.675 U3.3@36,44.55
NetSB3_3: SB3.3 U4.7 | length 6.1
  Top Layer w0.2: U4.7@29.575,50.65 29.575,54.615 31.06,56.1 SB3.3@31.103,56.1
NetSB4_3: SB4.3 U4.6 | length 8.5
  Top Layer w0.2: U4.6@30.225,50.65 30.225,51.285 30,51.51 30,54.475 30.825,55.3 31.378,55.3 31.784,55.706 31.784,56.776 31.328,57.232 31.328,57.475 SB4.3@31.103,57.7
NetU7_6: U7.6 U7.9 | length 5.6
  Top Layer w0.2: U7.6@28.304,4.115 U7.9@33.954,4.115
OPU_UART_RX: R28.2 R35.2 | length 9.6
  Top Layer w0.2: R35.2@23.67,7.798 23.739,7.867 23.739,8.748 23.607,8.88 23.148,8.88 22.92,9.108 22.92,10.552 23.148,10.78 24.517,10.78 27.037,13.3 R28.2@27.95,13.3
OPU_UART_TX: R36.2 U7.5 | length 6.6
  Top Layer w0.2: R36.2@23.67,9.83 23.67,9.63 27.915,5.385 U7.5@28.304,5.385
P_GND: J6.8 NT1.1 | length 8.7
  Bottom Layer w2: J6.8@8,32.78 10.025,34.805 12.836,34.805 13.341,34.3 13.344,34.3 14.025,33.619 14.025,32.875 14.2,32.7 NT1.1@14.6,32.7
SWDCLK: J1.3 R6.2 U1.49 | length 16.9
  Top Layer w0.3: J1.3@32.399,-6.026 31.222,-4.849 31.222,-3.032 32.404,-1.85 37.213,-1.85 37.485,-1.578 38.6,-1.578 42.397,2.219 U1.49@42.397,2.288
SWDIO: J1.2 R5.1 U1.46 | length 23.8
  Top Layer w0.2: R5.1@29.512,-3.232 R5.1@29.786,-2.958 ; R5.1@29.786,-3.228 29.786,-1.914 v1(29.8,-1.9) ; v1(38.6,7.5) 38.715,7.385 38.715,6.833 39.394,6.153 40.279,6.153 U1.46@40.289,6.143
  Top Layer w0.3: R5.1@29.512,-3.232 29.686,-3.405 29.686,-5.853 J1.2@29.859,-6.026
  Bottom Layer w0.2: v1(29.8,-1.9) 29.8,1.433 30.667,2.3 36.6,2.3 38.6,4.3 v1(38.6,7.5)
Tracker_UART_RX_OUT: SB1.1 SB4.1 | length 8
  Top Layer w0.2: v1(33.3,58.7) 33.766,58.234 33.766,57.831 SB4.1@33.897,57.7 ; SB1.1@33.894,54.5 34.506,54.5 34.806,54.2 v1(34.9,54.2)
  Bottom Layer w0.2: v1(33.3,58.7) 32.7,58.1 32.7,56.4 v1(34.9,54.2)
Tracker_UART_TX_OUT: SB2.1 SB3.1 | length 12.1
  Top Layer w0.2: v1(31.9,58.7) 31.819,58.619 31.819,57.306 32.344,56.781 32.894,56.781 33.398,56.276 33.721,56.276 SB3.1@33.897,56.1 ; SB2.1@33.897,52.9 v1(34.9,52.9)
  Bottom Layer w0.2: v1(31.9,58.7) 31.9,55.9 v1(34.9,52.9)
U5V: CK12.1 J3.1 R11.2 U2.5 | length 8.7
  Top Layer w0.2: J3.1@9.158,-4.728 10.025,-4.728 10.179,-4.574 10.179,-4.321 11.071,-3.429 R11.2@12.158,-3.429 12.508,-3.779 12.508,-4.367 13.425,-5.284 CK12.1@13.425,-5.334 13.425,-7.833 U2.5@13.335,-7.923
USB2_5V: CK13.2 CK15.1 CK16.1 CK34.1 CK36.1 J4.1 U3.1 U4.10 U11.5 | length 47.7
  Top Layer w0.2: v1(24.725,48.857) 24.982,48.6 27.134,48.6 27.384,48.85 27.525,48.85 27.7,49.025 U4.10@27.95,49.025 ; v1@24.978,48.597 25.277,48.298 25.927,48.298 CK36.1@26.2,48.025 ; v1(36.4,50.1) 37,49.5 CK16.1@37,48.1 37,47.95 37.375,47.575 CK15.1@38.8,47.575 CK15.1@38.85,47.575 ; U11.5@37,54.025 37.225,53.8 37.225,52.725 38.025,51.925 CK34.1@38.8,51.925 38.983,51.742 39.458,51.742 39.975,51.225 39.975,49.45 40.075,49.35 40.075,47.575 ; U3.1@38.54,44.55 38.54,44.808 38.748,45.016 40.116,45.016 40.542,45.442 40.542,45.883 CK15.1@38.85,47.575 ; J4.1@42.6,44.35 41.875,45.075 41.875,45.775 40.075,47.575 ; CK15.1@38.85,47.575 40.075,47.575
  Bottom Layer w0.2: v1(24.725,48.857) 29.782,43.8 34.59,43.8 35.9,45.11 35.9,49.6 v1(36.4,50.1)
USB_FDTI_D+/TRACKER_UART_RX: J4.3 SB4.2 U11.1 | length 16.8
  Top Layer w0.2: SB4.2@32.5,57.7 32.676,57.524 32.998,57.524 33.603,56.919 33.692,56.831 34.345,56.831 35.601,55.575 37.575,55.575 37.95,55.95 37.95,56.2 U11.1@37.95,56.7 ; U11.1@37.95,56.975 U11.1@37.95,56.7 ; J4.3@42.6,49.35 41.1,50.85 41.1,53.55 U11.1@37.95,56.7
USB_FDTI_D-/TRACKER_UART_TX: J4.2 SB3.2 U11.6 | length 16
  Top Layer w0.2: SB3.2@32.5,56.1 33.2,55.4 34.777,55.4 35.102,55.075 37.669,55.075 37.935,54.808 37.935,53.765 39.05,52.65 39.349,52.65 40.375,51.625 40.375,51.01 41.4,49.984 41.4,48.05 J4.2@42.6,46.85
USB_ISOL_GND: CK13.1 CK15.2 CK16.2 CK17.2 CK34.2 CK35.2 CK36.2 J4.4 LD5.2 LD6.2 U3.4 U4.3 U4.13 U4.17 U11.2 | length 5.8
  Top Layer w0.2: U4.13@28.925,46.75 U4.17@28.925,47.725 ; U4.3@31.85,49.025 30.225,49.025 v1(29.9,48.7) ; U4.17@28.925,47.725 v1(29.9,48.7) ; U4.17@28.925,47.725 v1(29.3,48.1) v1(29.9,48.7)
  other v1: 28.8,42.4 31,42.4 33.3,42.8 35.4,43.1 36.8,43.1 39.2,43.1 46.3,43.1 49.2,43.4 44.3,44 24,44.1 46.2,44.9 27.1,45.3 22.4,45.6 49,45.8 44.3,45.9 38.9,46.1 24.9,46.2 34.7,46.4 37.2,46.4 27.886,46.686 46,46.9 30.5,48.1 44.3,48.1 48.7,48.1 20.5,48.5 23.7,48.6 29.3,49.3 30.5,49.3 46.023,49.332 24.3,49.9 48.5,50.5 44.3,50.6 31.8,50.7 36.9,51.3 20.2,51.5 35.1,51.6 46,51.7 24.295,52.105 36.3,52.5 40.4,52.8 44.3,53.1 48.6,53.2 27.5,53.7 39.2,54.2 46,54.3 40.952,55.136 44.3,55.5 48.7,55.8 20.3,56 24.2,56.1 27.5,56.2 39.8,56.9 45.7,57.2 43.9,58.7 48.6,58.8 38.819,58.955 27.9,59 29.9,59 41.3,59 35.1,59.1 37,59.2
pads on no net: J3.0 J3.4 J4.5 J4.6 U1.0 U1.2 U1.5 U1.6 U1.11 U1.24 U1.25 U1.26 U1.27 U1.28 U1.29 U1.35 U1.36 U1.39 U1.40 U1.41 U1.43 U1.50 U1.51 U1.52 U1.53 U1.54 U1.56 U1.57 U1.61 U1.62 U2.3 U2.4 U4.4 U4.12 U4.14 U4.16 U6.4 U7.3 U7.11 U10.4 U11.3 U11.4

## Polygon pours and split planes (outlines as drawn)
GND on Top Layer "NONET_L01_P-001" (solid, remove dead copper, pour order 7): -0.05,60.006 52.05,60.006 52.05,42.8 69.95,42.8 69.95,-46.394 5.65,-46.394 -0.05,-40.694 -0.05,-20.394
NetD1_1 on Top Layer "NONET_L01_P-001" (solid, pour order 6): 32.85,31.45 32.85,29.05 31.9,28.1 31.9,27 31.5,26.6 29.9,26.6 29.4,26.1 29.4,24.5 29.7,24.2 31.5,24.2 32.2,23.5 35.3,23.5 35.9,24.1 35.9,28 35.1,28.8 35.1,31.5 34.7,31.9 33.3,31.9
+5 on Top Layer "NONET_L01_P-001" (solid, pour order 4): 41.9,27.4 42.8,28.3 44.5,28.3 44.7,28.5 44.7,34.4 43.3,35.8 37.5,35.8 37.5,25.1 37.5,23.3 41.9,23.3
+5 on Top Layer "NONET_L01_P-001" (solid, pour order 2): 12.9,23.8 13.4,23.3 16.1,23.3 16.6,23.8 16.6,26.6 16,27.2 13.4,27.2 12.8,26.6 6.5,26.6 6.5,23.8
USB_ISOL_GND on Top Layer "NONET_L01_P-001" (solid, remove dead copper, pour order 1): 52.1,42.6 33.7,42.6 33.1,42 25.2,42 19.3,47.9 19.3,58.9 20.1,59.7 52.1,59.7
GND on Bottom Layer "NONET_L01_P-001" (solid, pour order 8): 0,60 52.1,60 52.1,42.1 70,42.1 70,-46.4 5.7,-46.4 0,-40.7 0,-20.4
USB_ISOL_GND on Bottom Layer "NONET_L01_P-001" (solid, pour order 0): 52.1,41.7 52.1,59.7 20.1,59.7 19.3,58.9 19.3,47.9 25.5,41.7

## Silkscreen, mask and mechanical layers (free items; w line width, h text height)
Top Overlay:
  drawing of 17 lines, arcs and shapes, not listed
  text "5 / GND /  / 24 / GND /  / 24 / GND" at 7,41.2 h1.2
  text "TRACKER CONTROLLER 010 / J.D.3.2025" at 69.1,13.2 h2 r90
Bottom Overlay:
  lines w0.2: 13.8,37.2 14.6,33.9 ; 17.6,33.7 18.5,37.2
  lines w0.254: 18.3,13.5 20.4,13.5 20.4,34.4 18.3,34.4 18.3,13.5 ; 21.2,13.5 23.3,13.5 23.3,34.4 21.2,34.4 21.2,13.5
  text "GND<-P_GND" at 21.25,37.95 h1.2
  text "J6" at 19.902,33.213 h1.2
  text "J5" at 22.702,33.113 h1.2
  text "P_GND" at 6.3,32.513 h1.2
  text "GND" at 25.929,32.413 h1.2
  text "24V" at 6.301,30.1 h1.2
  text "GND" at 25.929,29.913 h1.2
  text "GND" at 18,27.413 h1.2
  text "GND" at 25.929,27.413 h1.2
  text "+5" at 18,24.513 h1.2
  text "+5" at 24.782,24.513 h1.2
  text "AOU TX" at 18.101,22.313 h1.2
  text "MCU TX" at 27.681,22.213 h1.2
  text "MCU RX" at 27.8,19.713 h1.2
  text "AOU RX" at 18.001,19.613 h1.2
  text "GPS TX" at 27.526,17.213 h1.2
  text "Err_out" at 18,17.113 h1.2
  text "Mot nEn" at 18,14.512 h1.2
  text "GPS RX" at 27.645,14.513 h1.2
Board Shape:
  the board outline again, w0.2